# Allegro board 6089-119-RevB_08.brd (continued)
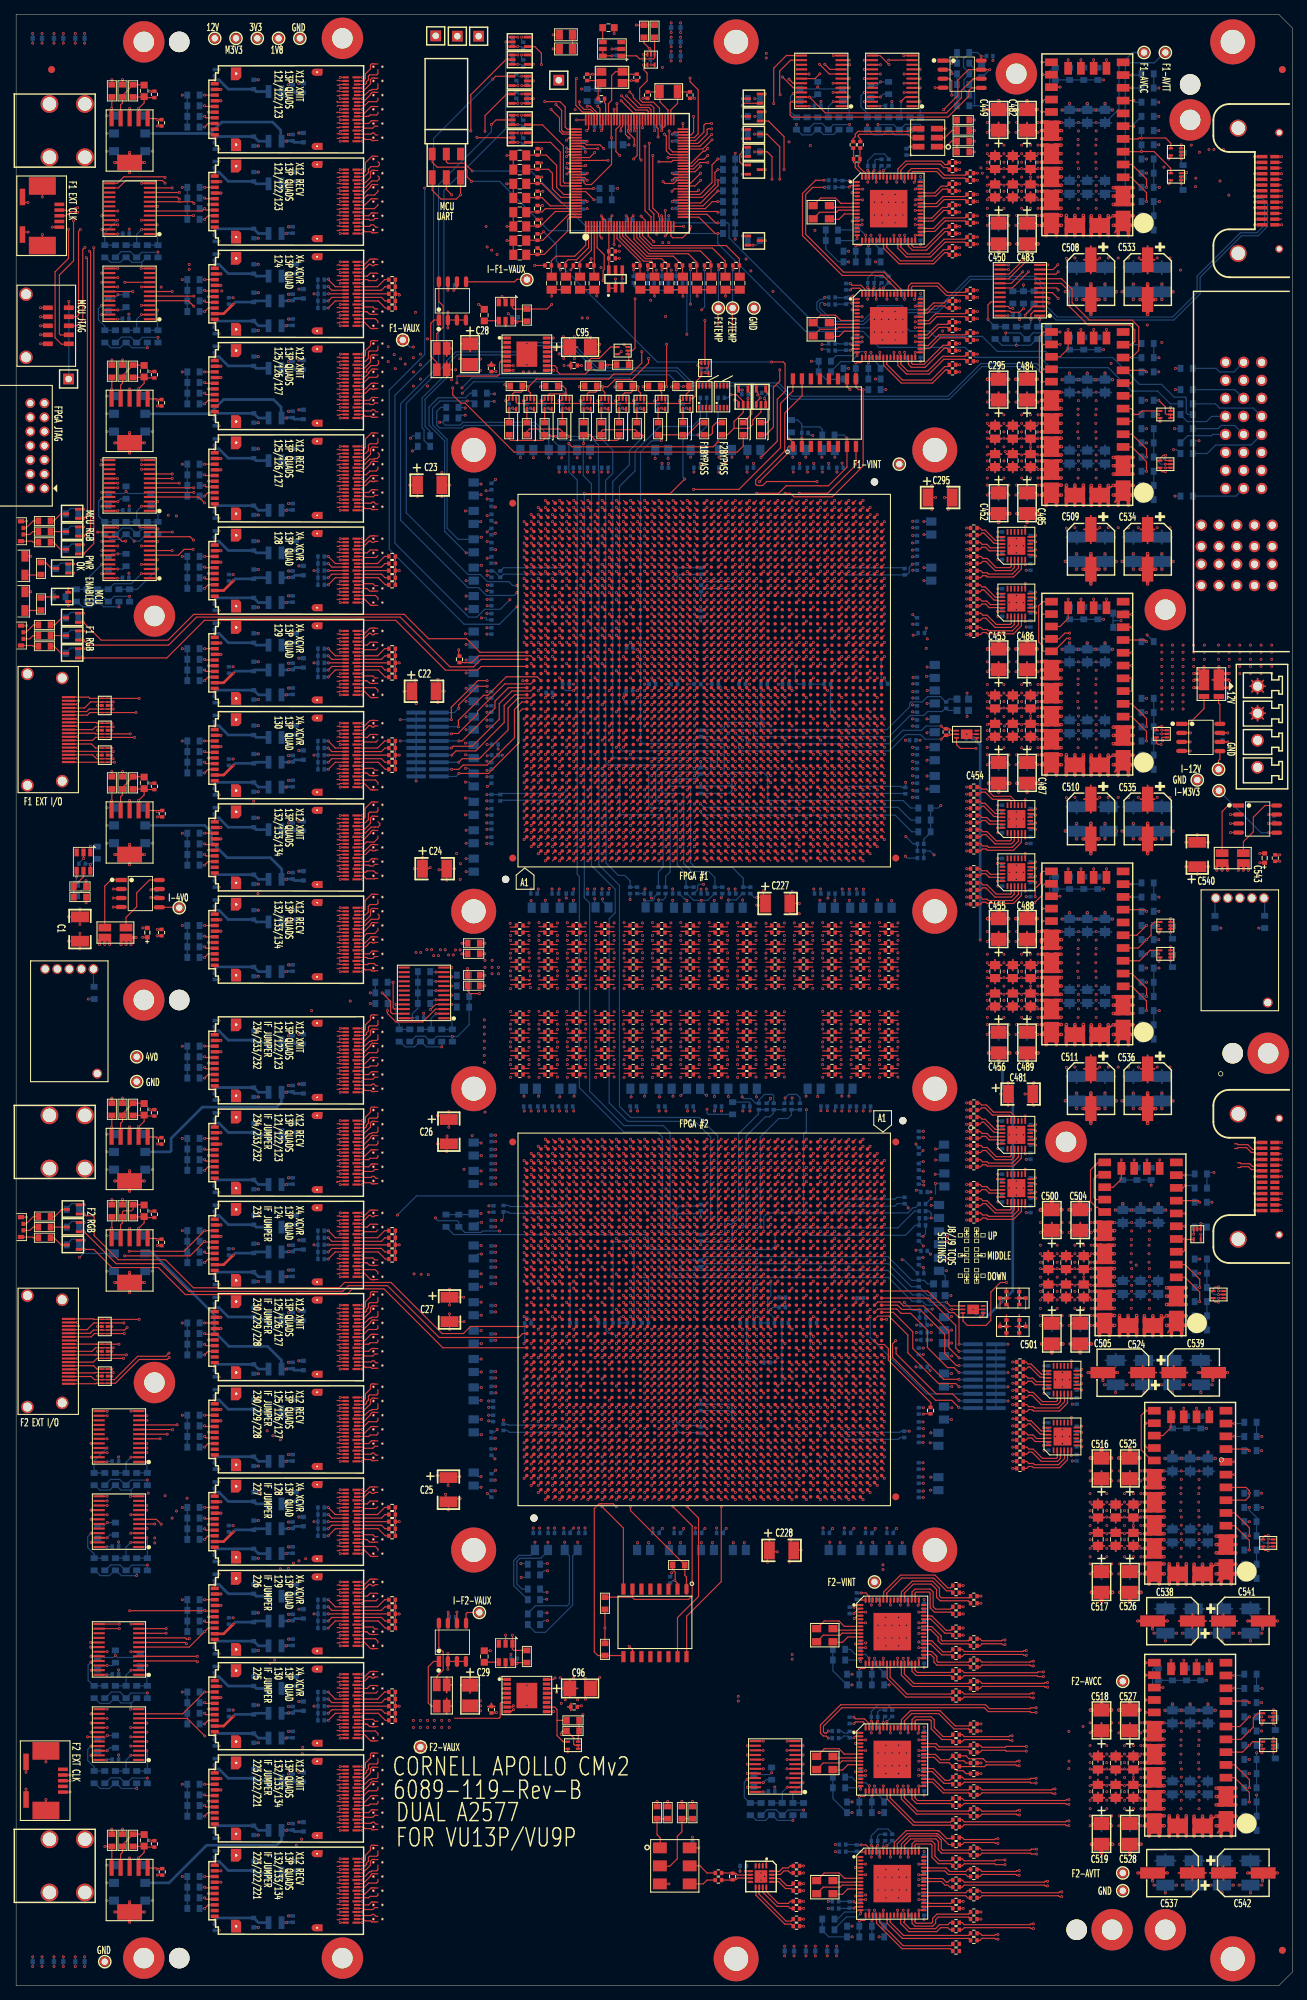
[diagram p0: board, top side]
## Routing (per net, layer and track width the routed paths; a pad name or vN(x,y) marks a point on that pad's centre or on a via; arc(x,y) is an arc through that point) (continued)
PF1_C_RECV2: length 16
  TOP w0.165: C178.1 98.39,146.06 97.69,146.06 ; U75.AG2 98.39,159.51
  SIG4 w0.083: 97.69,146.06 97.8,146.17 arc(97.94,146.27) 98.12,146.3 arc(98.38,146.35) 98.6,146.5 arc(98.79,146.79) 98.86,147.13 98.86,149.89 arc(98.88,150.02) 98.93,150.15 arc(98.98,150.28) 99,150.41 99,158.67 arc(98.87,158.98) 98.56,159.11 98.47,159.11 arc(98.42,159.14) 98.39,159.2 98.39,159.51
PF1_C_RECV3: length 15.2
  TOP w0.165: C176.1 98.39,148.56 97.69,148.56 ; U75.AF4 97.39,161.51
  SIG4 w0.083: 97.39,161.51 97.39,161.2 arc(97.42,161.14) 97.47,161.11 97.56,161.11 arc(97.87,160.98) 98,160.67 98,150.68 arc(98.05,150.42) 98.2,150.2 arc(98.27,150.09) 98.3,149.96 98.3,149.1 arc(98.21,148.89) 98,148.8 arc(97.93,148.79) 97.88,148.75 97.69,148.56
PF1_C_XMIT0: length 39.9
  TOP w0.165: C190.2 98.39,128.56 97.69,128.56 ; U75.AJ7 100.39,164.51
  SIG3 w0.083: 97.69,128.56 97.9,128.77 arc(97.92,128.78) 97.95,128.79 99.1,128.79 arc(99.67,129.02) 99.9,129.59 99.9,150.05 arc(99.96,150.37) 100.15,150.65 100.5,151 arc(100.88,151.56) 101.01,152.23 101.01,163.66 arc(100.88,163.98) 100.56,164.11 100.47,164.11 arc(100.42,164.14) 100.39,164.2 100.39,164.51
PF1_C_XMIT1: length 38.6
  TOP w0.165: 97.69,131.06 98.39,131.06 C188.2 ; U75.AH9 99.39,166.51
  SIG3 w0.083: 97.69,131.06 97.9,131.27 arc(97.92,131.28) 97.95,131.29 98.4,131.29 arc(99,131.54) 99.25,132.14 99.25,150.75 arc(99.32,151.12) 99.53,151.43 99.75,151.65 arc(99.94,151.94) 100.01,152.28 100.01,165.66 arc(99.88,165.98) 99.56,166.11 99.47,166.11 arc(99.42,166.14) 99.39,166.2 99.39,166.51
PF1_C_XMIT2: length 33.5
  TOP w0.165: C186.2 98.39,133.56 97.69,133.56 ; U75.AG7 98.39,164.51
  SIG3 w0.083: 98.39,164.51 98.39,164.2 arc(98.42,164.14) 98.47,164.11 98.56,164.11 arc(98.88,163.98) 99.01,163.66 99.01,152.43 arc(98.94,152.09) 98.75,151.8 arc(98.71,151.74) 98.7,151.68 98.7,134.39 arc(98.52,133.97) 98.1,133.79 97.95,133.79 arc(97.92,133.78) 97.9,133.77 97.69,133.56
PF1_C_XMIT3: length 33.1
  TOP w0.165: 97.69,136.06 98.39,136.06 C184.2 ; U75.AF9 97.39,166.51
  SIG3 w0.083: 97.69,136.06 97.7,136.06 arc(97.76,136.09) 97.79,136.14 arc(97.78,136.22) 97.82,136.3 arc(97.84,136.29) 97.86,136.29 arc(97.87,136.29) 97.88,136.29 arc(97.92,136.3) 97.96,136.31 arc(98.18,136.53) 98.26,136.82 98.26,137.75 arc(98.19,138.07) 98.01,138.34 97.55,138.8 arc(97.36,139.08) 97.3,139.4 97.3,150.88 arc(97.37,151.24) 97.56,151.56 97.57,151.57 arc(97.85,152.02) 97.95,152.55 97.95,165.72 arc(97.83,166) 97.56,166.11 97.47,166.11 arc(97.42,166.14) 97.39,166.2 97.39,166.51
PF1_D_RECV0: length 22
  TOP w0.165: C164.1 94.39,141.06 93.69,141.06 ; U75.AE2 95.61,159.51
  SIG4 w0.083: 95.61,159.51 95.61,159.2 arc(95.63,159.14) 95.69,159.11 95.77,159.11 arc(96.08,158.99) 96.21,158.68 96.21,154.66 96.2,154.65 96.2,154.36 96.21,154.36 96.21,152.04 arc(96.17,151.63) 96.05,151.24 arc(96,151.09) 95.96,150.94 arc(95.95,150.9) 95.95,150.86 95.95,142.34 arc(95.64,141.6) 94.9,141.29 93.95,141.29 arc(93.92,141.28) 93.9,141.27 93.69,141.06
PF1_D_RECV1: length 21.2
  TOP w0.165: C162.1 94.39,143.56 93.69,143.56 ; U75.AD4 94.61,161.51
  SIG4 w0.083: 93.69,143.56 93.9,143.77 arc(93.92,143.78) 93.95,143.79 94.8,143.79 arc(95.27,143.98) 95.46,144.45 95.46,151.43 arc(95.42,151.74) 95.3,152.03 arc(95.25,152.15) 95.22,152.27 arc(95.21,152.31) 95.21,152.36 95.21,160.68 arc(95.08,160.99) 94.77,161.11 94.69,161.11 arc(94.63,161.14) 94.61,161.2 94.61,161.51
PF1_D_RECV2: length 16.2
  TOP w0.165: C160.1 94.39,146.06 93.69,146.06 ; U75.AC2 93.61,159.51
  SIG4 w0.083: 93.69,146.06 93.9,146.27 arc(93.92,146.28) 93.95,146.29 94.2,146.29 arc(94.67,146.48) 94.86,146.95 94.86,150.7 arc(94.82,151.04) 94.71,151.37 arc(94.63,151.51) 94.55,151.63 arc(94.44,151.79) 94.35,151.97 94.23,152.28 arc(94.21,152.32) 94.21,152.36 94.21,158.68 arc(94.08,158.99) 93.77,159.11 93.69,159.11 arc(93.63,159.14) 93.61,159.2 93.61,159.51
PF1_D_RECV3: length 15.5
  TOP w0.165: 93.69,148.56 94.39,148.56 C158.1 ; U75.AB4 92.61,161.51
  SIG4 w0.083: 92.61,161.51 92.61,161.2 arc(92.63,161.14) 92.69,161.11 92.77,161.11 arc(93.08,160.99) 93.21,160.68 93.21,152.63 arc(93.31,152.13) 93.59,151.71 93.86,151.44 arc(94.18,150.95) 94.3,150.37 94.3,149.14 arc(94.2,148.89) 93.95,148.79 93.87,148.79 arc(93.81,148.77) 93.79,148.71 93.79,148.65 arc(93.76,148.59) 93.7,148.56 93.69,148.56
PF1_D_XMIT0: length 39.2
  TOP w0.165: U75.AE7 95.61,164.51 ; C172.2 94.39,128.56 93.69,128.56
  SIG3 w0.083: 93.69,128.56 93.9,128.77 arc(93.92,128.78) 93.95,128.79 94.04,128.79 arc(95.39,129.35) 95.95,130.7 95.95,154.26 arc(95.97,154.38) 96.03,154.48 arc(96.07,154.54) 96.11,154.6 arc(96.17,154.74) 96.22,154.88 arc(96.24,154.95) 96.25,155.03 96.25,163.64 arc(96.11,163.97) 95.77,164.11 95.69,164.11 arc(95.63,164.14) 95.61,164.2 95.61,164.51
PF1_D_XMIT1: length 38.5
  TOP w0.165: C170.2 94.39,131.06 93.69,131.06 ; U75.AD9 94.61,166.51
  SIG3 w0.083: 94.61,166.51 94.61,166.2 arc(94.64,166.14) 94.7,166.11 94.81,166.11 arc(95.13,165.98) 95.26,165.66 95.26,131.77 arc(95.24,131.67) 95.2,131.57 arc(94.97,131.37) 94.68,131.3 94.1,131.3 arc(93.94,131.27) 93.81,131.18 93.69,131.06
PF1_D_XMIT2: length 33.6
  TOP w0.165: U75.AC7 93.61,164.51 ; C168.2 94.39,133.56 93.69,133.56
  SIG3 w0.083: 93.69,133.56 93.9,133.77 arc(93.92,133.78) 93.95,133.79 94.04,133.79 arc(94.33,133.84) 94.6,133.99 arc(94.68,134.1) 94.71,134.23 94.71,138.88 arc(94.67,139.21) 94.55,139.51 arc(94.4,139.85) 94.27,140.19 arc(94.26,140.23) 94.26,140.27 94.26,152.6 arc(94.25,152.66) 94.23,152.72 94.23,152.72 arc(94.22,152.78) 94.21,152.84 94.21,153.35 arc(94.21,153.39) 94.22,153.43 94.25,153.57 arc(94.26,153.64) 94.26,153.7 94.26,163.63 arc(94.12,163.97) 93.77,164.11 93.69,164.11 arc(93.63,164.14) 93.61,164.2 93.61,164.51
PF1_D_XMIT3: length 33.2
  TOP w0.165: 93.6,136.05 94.39,136.06 C166.2 ; U75.AB9 92.61,166.51
  SIG3 w0.083: 93.6,136.05 93.6,136.06 arc(93.6,136.06) 93.6,136.06 93.8,136.27 arc(93.82,136.28) 93.86,136.29 93.94,136.29 arc(94.16,136.38) 94.25,136.6 94.25,138.38 arc(94.12,139.04) 93.74,139.61 93.29,140.06 arc(93.19,140.21) 93.15,140.39 93.15,154.1 arc(93.16,154.24) 93.2,154.37 arc(93.24,154.5) 93.25,154.63 93.25,165.64 arc(93.11,165.97) 92.77,166.11 92.69,166.11 arc(92.63,166.14) 92.61,166.2 92.61,166.51
PF1_E_RECV0: length 22
  TOP w0.165: 89.69,141.06 90.39,141.06 C145.1 ; U75.AA2 91.61,159.51
  SIG4 w0.083: 89.69,141.06 89.9,141.27 arc(89.92,141.28) 89.95,141.29 90.9,141.29 arc(91.64,141.6) 91.95,142.34 91.95,150.86 arc(91.95,150.9) 91.96,150.94 arc(92,151.09) 92.05,151.24 arc(92.17,151.63) 92.21,152.04 92.21,154.36 92.2,154.36 92.2,154.65 92.21,154.66 92.21,158.68 arc(92.08,158.99) 91.77,159.11 91.69,159.11 arc(91.63,159.14) 91.61,159.2 91.61,159.51
PF1_E_RECV1: length 21.2
  TOP w0.165: C143.1 90.39,143.56 89.69,143.56 ; U75.Y4 90.61,161.51
  SIG4 w0.083: 89.69,143.56 89.9,143.77 arc(89.92,143.78) 89.95,143.79 90.8,143.79 arc(91.27,143.98) 91.46,144.45 91.46,151.43 arc(91.42,151.74) 91.3,152.03 arc(91.25,152.15) 91.22,152.27 arc(91.21,152.31) 91.21,152.36 91.21,160.68 arc(91.08,160.99) 90.77,161.11 90.69,161.11 arc(90.63,161.14) 90.61,161.2 90.61,161.51
PF1_E_RECV2: length 16.2
  TOP w0.165: C141.1 90.39,146.06 89.69,146.06 ; U75.W2 89.61,159.51
  SIG4 w0.083: 89.61,159.51 89.61,159.2 arc(89.63,159.14) 89.69,159.11 89.77,159.11 arc(90.08,158.99) 90.21,158.68 90.21,152.36 arc(90.21,152.32) 90.23,152.28 90.35,151.97 arc(90.44,151.79) 90.55,151.63 arc(90.63,151.51) 90.71,151.37 arc(90.82,151.04) 90.86,150.7 90.86,146.95 arc(90.67,146.48) 90.2,146.29 89.95,146.29 arc(89.92,146.28) 89.9,146.27 89.69,146.06
PF1_E_RECV3: length 15.5
  TOP w0.165: C139.1 90.39,148.56 89.69,148.56 ; U75.V4 88.61,161.51
  SIG4 w0.083: 88.61,161.51 88.61,161.2 arc(88.63,161.14) 88.69,161.11 88.77,161.11 arc(89.08,160.99) 89.21,160.68 89.21,152.63 arc(89.31,152.13) 89.59,151.71 89.86,151.44 arc(90.18,150.95) 90.3,150.37 90.3,149.14 arc(90.2,148.89) 89.95,148.79 89.87,148.79 arc(89.81,148.77) 89.79,148.71 89.79,148.65 arc(89.76,148.59) 89.7,148.56 89.69,148.56
PF1_E_XMIT0: length 39.2
  TOP w0.165: 89.69,128.56 90.39,128.56 C153.2 ; U75.AA7 91.61,164.51
  SIG3 w0.083: 89.69,128.56 89.9,128.77 arc(89.92,128.78) 89.95,128.79 90.04,128.79 arc(91.39,129.35) 91.95,130.7 91.95,154.26 arc(91.97,154.38) 92.03,154.48 arc(92.07,154.54) 92.11,154.6 arc(92.17,154.74) 92.22,154.88 arc(92.24,154.95) 92.25,155.03 92.25,163.64 arc(92.11,163.97) 91.77,164.11 91.69,164.11 arc(91.63,164.14) 91.61,164.2 91.61,164.51
PF1_E_XMIT1: length 38.5
  TOP w0.165: C151.2 90.39,131.06 89.69,131.06 ; U75.Y9 90.61,166.51
  SIG3 w0.083: 89.69,131.06 89.81,131.18 arc(89.94,131.27) 90.1,131.3 90.68,131.3 arc(90.97,131.37) 91.2,131.57 arc(91.24,131.67) 91.26,131.77 91.26,165.66 arc(91.13,165.98) 90.81,166.11 90.7,166.11 arc(90.64,166.14) 90.61,166.2 90.61,166.51
PF1_E_XMIT2: length 33.6
  TOP w0.165: C149.2 90.39,133.56 89.69,133.56 ; U75.W7 89.61,164.51
  SIG3 w0.083: 89.61,164.51 89.61,164.2 arc(89.63,164.14) 89.69,164.11 89.77,164.11 arc(90.12,163.97) 90.26,163.63 90.26,153.7 arc(90.26,153.64) 90.25,153.57 90.22,153.43 arc(90.21,153.39) 90.21,153.35 90.21,152.84 arc(90.22,152.78) 90.23,152.72 90.23,152.72 arc(90.25,152.66) 90.26,152.6 90.26,140.27 arc(90.26,140.23) 90.27,140.19 arc(90.4,139.85) 90.55,139.51 arc(90.67,139.21) 90.71,138.88 90.71,134.23 arc(90.68,134.1) 90.6,133.99 arc(90.33,133.84) 90.04,133.79 89.95,133.79 arc(89.92,133.78) 89.9,133.77 89.69,133.56
PF1_E_XMIT3: length 33.2
  TOP w0.165: 89.59,136.06 90.39,136.06 C147.2 ; U75.V9 88.61,166.51
  SIG3 w0.083: 89.59,136.06 89.6,136.06 89.8,136.27 arc(89.82,136.28) 89.86,136.29 89.94,136.29 arc(90.16,136.38) 90.25,136.6 90.25,138.38 arc(90.12,139.04) 89.74,139.61 89.29,140.06 arc(89.19,140.21) 89.15,140.39 89.15,154.1 arc(89.16,154.24) 89.2,154.37 arc(89.24,154.5) 89.25,154.63 89.25,165.64 arc(89.11,165.97) 88.77,166.11 88.69,166.11 arc(88.63,166.14) 88.61,166.2 88.61,166.51
PF1_F_RECV0: length 22
  TOP w0.165: C125.1 86.39,141.06 85.69,141.06 ; U75.U2 87.61,159.51
  SIG4 w0.083: 85.69,141.06 85.9,141.27 arc(85.92,141.28) 85.95,141.29 86.9,141.29 arc(87.64,141.6) 87.95,142.34 87.95,150.86 arc(87.95,150.9) 87.96,150.94 arc(88,151.09) 88.05,151.24 arc(88.17,151.63) 88.21,152.04 88.21,154.36 88.2,154.36 88.2,154.65 88.21,154.66 88.21,158.68 arc(88.08,158.99) 87.77,159.11 87.69,159.11 arc(87.63,159.14) 87.61,159.2 87.61,159.51
PF1_F_RECV1: length 21.2
  TOP w0.165: C123.1 86.39,143.56 85.69,143.56 ; U75.T4 86.61,161.51
  SIG4 w0.083: 86.61,161.51 86.61,161.2 arc(86.63,161.14) 86.69,161.11 86.77,161.11 arc(87.08,160.99) 87.21,160.68 87.21,152.36 arc(87.21,152.31) 87.22,152.27 arc(87.25,152.15) 87.3,152.03 arc(87.42,151.74) 87.46,151.43 87.46,144.45 arc(87.27,143.98) 86.8,143.79 85.95,143.79 arc(85.92,143.78) 85.9,143.77 85.69,143.56
PF1_F_RECV2: length 16.2
  TOP w0.165: U75.R2 85.61,159.51 ; C121.1 86.39,146.06 85.69,146.06
  SIG4 w0.083: 85.69,146.06 85.9,146.27 arc(85.92,146.28) 85.95,146.29 86.2,146.29 arc(86.67,146.48) 86.86,146.95 86.86,150.7 arc(86.82,151.04) 86.71,151.37 arc(86.63,151.51) 86.55,151.63 arc(86.44,151.79) 86.35,151.97 86.23,152.28 arc(86.21,152.32) 86.21,152.36 86.21,158.68 arc(86.08,158.99) 85.77,159.11 85.69,159.11 arc(85.63,159.14) 85.61,159.2 85.61,159.51
PF1_F_RECV3: length 15.5
  TOP w0.165: U75.P4 84.61,161.51 ; 85.69,148.56 86.39,148.56 C119.1
  SIG4 w0.083: 84.61,161.51 84.61,161.2 arc(84.63,161.14) 84.69,161.11 84.77,161.11 arc(85.08,160.99) 85.21,160.68 85.21,152.63 arc(85.31,152.13) 85.59,151.71 85.86,151.44 arc(86.18,150.95) 86.3,150.37 86.3,149.14 arc(86.2,148.89) 85.95,148.79 85.87,148.79 arc(85.81,148.77) 85.79,148.71 85.79,148.65 arc(85.76,148.59) 85.7,148.56 85.69,148.56
PF1_F_XMIT0: length 39.2
  TOP w0.165: U75.U7 87.61,164.51 ; C133.2 86.39,128.56 85.69,128.56
  SIG3 w0.083: 85.69,128.56 85.9,128.77 arc(85.92,128.78) 85.95,128.79 86.04,128.79 arc(87.39,129.35) 87.95,130.7 87.95,154.26 arc(87.97,154.38) 88.03,154.48 arc(88.07,154.54) 88.11,154.6 arc(88.17,154.74) 88.22,154.88 arc(88.24,154.95) 88.25,155.03 88.25,163.64 arc(88.11,163.97) 87.77,164.11 87.69,164.11 arc(87.63,164.14) 87.61,164.2 87.61,164.51
PF1_F_XMIT1: length 38.5
  TOP w0.165: U75.T9 86.61,166.51 ; 85.69,131.06 86.39,131.06 C131.2
  SIG3 w0.083: 86.61,166.51 86.61,166.2 arc(86.64,166.14) 86.7,166.11 86.81,166.11 arc(87.13,165.98) 87.26,165.66 87.26,131.77 arc(87.24,131.67) 87.2,131.57 arc(86.97,131.37) 86.68,131.3 86.1,131.3 arc(85.94,131.27) 85.81,131.18 85.69,131.06
PF1_F_XMIT2: length 33.6
  TOP w0.165: C129.2 86.39,133.56 85.69,133.56 ; U75.R7 85.61,164.51
  SIG3 w0.083: 85.69,133.56 85.9,133.77 arc(85.92,133.78) 85.95,133.79 86.04,133.79 arc(86.33,133.84) 86.6,133.99 arc(86.68,134.1) 86.71,134.23 86.71,138.88 arc(86.67,139.21) 86.55,139.51 arc(86.4,139.85) 86.27,140.19 arc(86.26,140.23) 86.26,140.27 86.26,152.6 arc(86.25,152.66) 86.23,152.72 86.23,152.72 arc(86.22,152.78) 86.21,152.84 86.21,153.35 arc(86.21,153.39) 86.22,153.43 86.25,153.57 arc(86.26,153.64) 86.26,153.7 86.26,163.63 arc(86.12,163.97) 85.77,164.11 85.69,164.11 arc(85.63,164.14) 85.61,164.2 85.61,164.51
PF1_F_XMIT3: length 33.2
  TOP w0.165: C127.2 86.39,136.06 85.6,136.06 ; U75.P9 84.61,166.51
  SIG3 w0.083: 84.61,166.51 84.61,166.2 arc(84.63,166.14) 84.69,166.11 84.77,166.11 arc(85.11,165.97) 85.25,165.64 85.25,154.63 arc(85.24,154.5) 85.2,154.37 arc(85.16,154.24) 85.15,154.1 85.15,140.39 arc(85.19,140.21) 85.29,140.06 85.74,139.61 arc(86.12,139.04) 86.25,138.38 86.25,136.6 arc(86.16,136.38) 85.94,136.29 85.86,136.29 arc(85.82,136.28) 85.8,136.27 85.6,136.06
PF1_FF1_RECV0: length 85.2
  TOP w0.165: U25.A18 48.95,247.4 49.2,247.15 50.01,247.15 50.14,247.02 50.16,247.02 50.19,246.99 50.54,246.99 50.57,247.02 51,247.02 ; U75.BB48 113.39,206.29
  SIG3 w0.083: 113.39,206.29 113.39,206.56 arc(113.35,206.65) 113.27,206.69 113.14,206.69 arc(112.9,206.79) 112.8,207.03 112.8,210.02 arc(112.64,210.84) 112.17,211.53 99.14,224.56 arc(99,224.66) 98.83,224.69 79.45,224.69 arc(78.03,224.97) 76.83,225.78 56.38,246.23 arc(55.19,247.02) 53.8,247.3 52.17,247.3 arc(52.14,247.29) 52.11,247.27 52.11,247.26 arc(52.08,247.25) 52.05,247.24 52,247.24 51.88,247.12 arc(51.77,247.04) 51.64,247.02 51,247.02
PF1_FF1_RECV1: length 87.5
  TOP w0.165: 45.25,247.31 45.56,247.31 45.65,247.4 U25.B18 ; U75.BC50 114.39,208.29
  SIG4 w0.083: 45.25,247.31 45.45,247.51 arc(45.48,247.53) 45.51,247.54 48.35,247.54 arc(48.92,247.42) 49.4,247.1 49.54,246.97 arc(50.23,246.5) 51.05,246.34 53.88,246.34 arc(54.7,246.18) 55.38,245.72 74.69,226.42 arc(75.49,225.88) 76.44,225.69 97.44,225.69 arc(97.97,225.58) 98.42,225.28 113.34,210.37 arc(113.68,209.85) 113.8,209.25 113.8,209.03 arc(113.9,208.79) 114.14,208.69 114.27,208.69 arc(114.35,208.65) 114.39,208.56 114.39,208.29
PF1_FF1_RECV2: length 88
  TOP w0.165: U75.BD48 115.39,206.29 ; U25.A15 49.73,248.9 49.85,248.78 50.32,248.78 50.57,249.02 51,249.02
  SIG3 w0.083: 51,249.02 51.64,249.02 arc(51.77,249.04) 51.88,249.12 52,249.24 52.05,249.24 arc(52.08,249.25) 52.11,249.26 52.11,249.27 arc(52.14,249.29) 52.17,249.3 53.68,249.3 arc(54.72,249.09) 55.61,248.5 77.33,226.78 arc(78.53,225.97) 79.95,225.69 99.22,225.69 arc(100,225.54) 100.66,225.1 114.01,211.74 arc(114.59,210.87) 114.8,209.84 114.8,207.03 arc(114.9,206.79) 115.14,206.69 115.27,206.69 arc(115.35,206.65) 115.39,206.56 115.39,206.29
PF1_FF1_RECV3: length 90.2
  TOP w0.165: 45.25,248.81 45.56,248.81 45.65,248.9 U25.B15 ; U75.BE50 116.39,208.29
  SIG4 w0.083: 116.39,208.29 116.39,208.56 arc(116.35,208.65) 116.27,208.69 116.14,208.69 arc(116.03,208.7) 115.93,208.76 arc(115.84,208.88) 115.8,209.03 115.8,209.19 arc(115.66,209.9) 115.26,210.49 99.57,226.18 arc(99.01,226.56) 98.35,226.69 76.6,226.69 arc(75.97,226.82) 75.43,227.18 55.35,247.26 arc(54.2,248.02) 52.85,248.29 50.39,248.29 arc(49.72,248.42) 49.15,248.8 arc(48.89,248.97) 48.59,249.04 45.51,249.04 arc(45.48,249.03) 45.45,249.01 45.25,248.81
PF1_FF1_RECV4: length 91
  TOP w0.165: 51,251.02 51,250.89 50.51,250.4 U25.A12 48.05,250.4 ; U75.BF48 117.39,206.29
  SIG3 w0.083: 117.39,206.29 117.39,206.56 arc(117.35,206.65) 117.27,206.69 117.14,206.69 arc(116.9,206.79) 116.8,207.03 116.8,209.38 arc(116.49,210.93) 115.61,212.24 102.06,225.79 arc(101.07,226.46) 99.9,226.69 81.25,226.69 arc(80.48,226.84) 79.82,227.28 56.75,250.35 arc(55.71,251.05) 54.47,251.3 52.17,251.3 arc(52.14,251.29) 52.11,251.27 52.11,251.26 arc(52.08,251.25) 52.05,251.24 52,251.24 51.88,251.12 arc(51.77,251.04) 51.64,251.02 51,251.02
PF1_FF1_RECV5: length 96.9
  TOP w0.165: U75.BG46 118.39,204.29 ; U25.B12 45.65,250.4 45.56,250.31 45.25,250.31
  SIG4 w0.083: 118.39,204.29 118.39,204.56 arc(118.35,204.65) 118.27,204.69 118.14,204.69 arc(117.9,204.79) 117.8,205.03 117.8,209.32 arc(117.66,210) 117.28,210.58 100.64,227.22 arc(100.11,227.57) 99.49,227.69 77.36,227.69 arc(76.49,227.87) 75.74,228.36 54.79,249.32 arc(53.76,250) 52.56,250.24 49.61,250.24 arc(49.34,250.3) 49.1,250.45 arc(49.01,250.51) 48.9,250.54 45.51,250.54 arc(45.48,250.53) 45.45,250.51 45.25,250.31
PF1_FF1_RECV6: length 91.7
  TOP w0.165: U75.BG50 118.39,208.29 ; 51,253.02 51,252.79 50.52,252.32 49.51,252.32 49.09,251.9 U25.A9 48,251.9
  SIG3 w0.083: 51,253.02 51.64,253.02 arc(51.77,253.04) 51.88,253.12 52,253.24 52.05,253.24 arc(52.08,253.25) 52.11,253.26 52.11,253.27 arc(52.14,253.29) 52.17,253.3 54.16,253.3 arc(55.22,253.09) 56.12,252.49 79.99,228.61 arc(81.01,227.93) 82.22,227.69 101.17,227.69 arc(101.95,227.54) 102.61,227.1 116.94,212.76 arc(117.58,211.81) 117.8,210.69 117.8,209.03 arc(117.9,208.79) 118.14,208.69 118.27,208.69 arc(118.35,208.65) 118.39,208.56 118.39,208.29
PF1_FF1_RECV7: length 97.3
  TOP w0.165: U25.B9 45.65,251.9 45.56,251.81 45.25,251.81 ; U75.BH48 119.39,206.29
  SIG4 w0.083: 119.39,206.29 119.39,206.56 arc(119.35,206.65) 119.27,206.69 119.14,206.69 arc(118.9,206.79) 118.8,207.03 118.8,209.82 arc(118.6,210.82) 118.03,211.67 101.53,228.18 arc(100.96,228.56) 100.28,228.69 77.43,228.69 arc(76.95,228.78) 76.55,229.05 54.08,251.52 arc(53.17,252.13) 52.1,252.34 49.54,252.34 arc(49.49,252.33) 49.45,252.3 arc(49.15,252.1) 48.81,252.04 45.51,252.04 arc(45.48,252.03) 45.45,252.01 45.25,251.81
PF1_FF1_RECV8: length 98.9
  TOP w0.165: 48.05,253.4 U25.A6 49.24,253.4 50.14,254.31 50.91,254.31 51.2,254.59 51.2,254.82 51,255.02 ; U75.BJ46 120.39,204.29
  SIG3 w0.083: 51,255.02 51.64,255.02 arc(51.77,255.04) 51.88,255.12 52,255.24 52.05,255.24 arc(52.08,255.25) 52.11,255.26 52.11,255.27 arc(52.14,255.29) 52.17,255.3 53.76,255.3 arc(54.73,255.1) 55.55,254.55 80.65,229.45 arc(81.49,228.89) 82.49,228.69 101.51,228.69 arc(102.67,228.46) 103.65,227.81 116.57,214.88 116.58,214.88 116.78,214.68 116.78,214.68 118.91,212.54 arc(119.57,211.56) 119.8,210.4 119.8,205.11 arc(119.92,204.81) 120.23,204.69 120.31,204.69 arc(120.37,204.66) 120.39,204.6 120.39,204.29
PF1_FF1_RECV9: length 102.4
  TOP w0.165: U25.B6 45.65,253.4 45.56,253.31 45.25,253.31 ; U75.BL46 122.39,204.29
  SIG4 w0.083: 45.25,253.31 45.45,253.51 arc(45.48,253.53) 45.51,253.54 48.37,253.54 arc(48.98,253.66) 49.5,254 arc(49.82,254.22) 50.19,254.29 51.3,254.29 arc(51.86,254.24) 52.4,254.07 53.03,253.81 arc(53.45,253.58) 53.82,253.28 76.7,230.4 arc(77.49,229.88) 78.42,229.69 101.11,229.69 arc(101.71,229.57) 102.22,229.23 116.57,214.88 116.58,214.88 116.78,214.68 116.78,214.68 121.08,210.37 arc(121.61,209.58) 121.8,208.64 121.8,205.03 arc(121.84,204.88) 121.93,204.76 arc(122.03,204.7) 122.14,204.69 122.27,204.69 arc(122.35,204.65) 122.39,204.56 122.39,204.29
PF1_FF1_RECV10: length 120.9
  TOP w0.165: U75.BL32 122.39,190.29 ; 51,257.02 51.22,256.8 51.22,256.57 50.96,256.32 50.02,256.32 49.66,255.96 49.66,255.48 49.09,254.9 U25.A3 48,254.9
  SIG4 w0.083: 51,257.02 51.64,257.02 arc(51.77,257.04) 51.88,257.12 52,257.24 52.05,257.24 arc(52.08,257.25) 52.11,257.26 52.11,257.27 arc(52.14,257.29) 52.17,257.3 52.32,257.3 arc(52.77,257.2) 53.16,256.95 77.94,232.16 arc(78.46,231.81) 79.08,231.69 103.44,231.69 arc(104.48,231.48) 105.36,230.89 123.7,212.56 arc(124.14,211.9) 124.29,211.12 124.29,193.11 arc(124.24,192.86) 124.1,192.65 123.69,192.24 arc(123.32,191.99) 122.9,191.91 122.16,191.91 arc(121.87,191.79) 121.76,191.5 121.76,191.06 arc(121.87,190.78) 122.15,190.66 arc(122.19,190.65) 122.23,190.64 arc(122.32,190.58) 122.38,190.49 arc(122.39,190.45) 122.39,190.41 122.39,190.29
PF1_FF1_RECV11: length 119
  TOP w0.165: 45.25,254.81 45.56,254.81 45.65,254.9 U25.B3 ; U75.BK34 121.39,192.29
  SIG4 w0.083: 45.25,254.81 45.45,255.01 arc(45.48,255.03) 45.51,255.04 47.9,255.04 arc(48.9,255.23) 49.75,255.8 arc(50.18,256.09) 50.69,256.19 51.26,256.19 arc(52.33,255.98) 53.23,255.37 77.06,231.54 arc(78,230.91) 79.11,230.69 102.53,230.69 arc(103.23,230.55) 103.83,230.15 122.31,211.67 arc(122.74,211.03) 122.89,210.27 122.89,194.22 arc(122.87,194.13) 122.82,194.06 arc(122.65,193.94) 122.44,193.9 121.2,193.9 arc(120.92,193.78) 120.8,193.5 120.8,193.11 arc(120.92,192.81) 121.23,192.69 121.31,192.69 arc(121.37,192.66) 121.39,192.6 121.39,192.29
PF1_FF1_XMIT0: length 99.6
  TOP w0.165: U24.B18 45.65,260.4 45.56,260.31 45.25,260.31 ; U75.BB43 113.39,201.29
  SIG1 w0.083: 113.39,201.29 113.39,201.56 arc(113.35,201.65) 113.27,201.69 113.14,201.69 arc(112.9,201.79) 112.8,202.03 112.8,210.31 arc(112.69,210.86) 112.38,211.32 97.35,226.36 arc(96.98,226.6) 96.54,226.69 90.19,226.69 arc(89.47,226.83) 88.87,227.24 57.4,258.71 arc(56.69,259.18) 55.86,259.34 51.05,259.34 arc(50.23,259.5) 49.54,259.97 49.4,260.1 arc(48.92,260.42) 48.35,260.54 45.51,260.54 arc(45.48,260.53) 45.45,260.51 45.25,260.31
PF1_FF1_XMIT1: length 95.4
  TOP w0.165: U24.A18 48.95,260.4 49.2,260.15 50.01,260.15 50.14,260.02 50.16,260.02 50.19,259.99 50.54,259.99 50.57,260.02 51,260.02 ; U75.BC45 114.39,203.29
  SIG2 w0.083: 51,260.02 51.64,260.02 arc(51.77,260.04) 51.88,260.12 52,260.24 52.05,260.24 arc(52.08,260.25) 52.11,260.26 52.11,260.27 arc(52.14,260.29) 52.17,260.3 55.58,260.3 arc(55.79,260.25) 55.97,260.14 88.94,227.17 arc(89.46,226.81) 90.09,226.69 98.36,226.69 arc(99.01,226.56) 99.56,226.19 113.38,212.38 arc(113.69,211.91) 113.8,211.36 113.8,204.03 arc(113.9,203.79) 114.14,203.69 114.27,203.69 arc(114.35,203.65) 114.39,203.56 114.39,203.29
PF1_FF1_XMIT2: length 102.3
  TOP w0.165: 45.25,261.82 45.25,261.81 45.56,261.81 45.65,261.9 U24.B15 ; U75.BD43 115.39,201.29
  SIG1 w0.083: 115.39,201.29 115.39,201.56 arc(115.35,201.65) 115.27,201.69 115.14,201.69 arc(115.03,201.7) 114.93,201.76 arc(114.89,201.8) 114.85,201.86 arc(114.81,201.94) 114.8,202.03 114.8,210.45 arc(114.71,210.92) 114.45,211.31 98.4,227.36 arc(98.03,227.6) 97.59,227.69 90.78,227.69 arc(89.98,227.85) 89.3,228.3 56.78,260.82 arc(56.26,261.17) 55.65,261.29 50.39,261.29 arc(49.72,261.42) 49.15,261.8 arc(48.89,261.97) 48.59,262.04 45.51,262.04 arc(45.48,262.03) 45.45,262.01 45.25,261.81 45.25,261.82
PF1_FF1_XMIT3: length 98.3
  TOP w0.165: 51,262.02 50.57,262.02 50.29,261.75 49.1,261.75 48.95,261.9 U24.A15 ; U75.BE45 116.39,203.29
  SIG2 w0.083: 51,262.02 51.64,262.02 arc(51.77,262.04) 51.88,262.12 52,262.24 52.05,262.24 arc(52.08,262.25) 52.11,262.26 52.11,262.27 arc(52.14,262.29) 52.17,262.3 54.99,262.3 arc(55.28,262.24) 55.54,262.07 89.44,228.17 arc(89.96,227.81) 90.59,227.69 99.46,227.69 arc(100.11,227.56) 100.66,227.19 115.38,212.47 arc(115.69,212.01) 115.8,211.46 115.8,204.03 arc(115.9,203.79) 116.14,203.69 116.27,203.69 arc(116.35,203.65) 116.39,203.56 116.39,203.29
PF1_FF1_XMIT4: length 105.1
  TOP w0.165: 45.25,263.31 45.56,263.31 45.65,263.4 U24.B12 ; U75.BF43 117.39,201.29
  SIG1 w0.083: 45.25,263.31 45.45,263.51 arc(45.48,263.53) 45.51,263.54 48.9,263.54 arc(49.01,263.51) 49.1,263.45 arc(49.34,263.3) 49.61,263.24 55.48,263.24 arc(55.83,263.17) 56.13,262.97 90.1,229 90.32,228.78 arc(90.42,228.71) 90.54,228.69 98.69,228.69 arc(99.13,228.6) 99.5,228.36 116.38,211.47 arc(116.69,211.01) 116.8,210.46 116.8,202.03 arc(116.9,201.79) 117.14,201.69 117.27,201.69 arc(117.35,201.65) 117.39,201.56 117.39,201.29
PF1_FF1_XMIT5: length 103.7
  TOP w0.165: U75.BH43 119.39,201.29 ; 51,264.02 51,263.77 50.83,263.61 49.9,263.61 49.69,263.4 U24.A12 48.05,263.4
  SIG2 w0.083: 51,264.02 51.64,264.02 arc(51.77,264.04) 51.88,264.12 52,264.24 52.05,264.24 arc(52.08,264.25) 52.11,264.26 52.11,264.27 arc(52.14,264.29) 52.17,264.3 54.49,264.3 arc(54.78,264.24) 55.04,264.07 89.87,229.24 arc(90.47,228.83) 91.19,228.69 100.31,228.69 arc(100.96,228.56) 101.51,228.19 118.38,211.33 arc(118.69,210.86) 118.8,210.31 118.8,202.11 arc(118.92,201.81) 119.23,201.69 119.31,201.69 arc(119.37,201.66) 119.39,201.6 119.39,201.29
PF1_FF1_XMIT6: length 110.5
  TOP w0.165: U75.BJ41 120.39,199.29 ; 45.25,264.85 45.3,264.9 U24.B9
  SIG1 w0.083: 45.25,264.85 45.44,265.04 45.77,265.04 48.81,265.04 arc(49.15,265.1) 49.45,265.3 arc(49.49,265.33) 49.54,265.34 54.89,265.34 arc(55.23,265.27) 55.53,265.07 60.07,260.53 arc(60.09,260.49) 60.07,260.46 arc(60.05,260.42) 60.07,260.38 60.23,260.22 arc(60.27,260.21) 60.3,260.22 arc(60.34,260.24) 60.38,260.22 60.54,260.07 arc(60.55,260.03) 60.54,259.99 arc(60.52,259.95) 60.54,259.91 60.69,259.76 arc(60.73,259.74) 60.77,259.76 arc(60.81,259.77) 60.85,259.76 90.6,230 arc(90.95,229.77) 91.36,229.69 99.54,229.69 arc(99.98,229.6) 100.35,229.36 119.45,210.26 arc(119.71,209.87) 119.8,209.4 119.8,200.11 arc(119.92,199.81) 120.23,199.69 120.31,199.69 arc(120.37,199.66) 120.39,199.6 120.39,199.29